# Allegro board SG2042_EVB_V1_1.brd (continued)
## Nets (continued)
GND_EARTH: C567.1 C568.1 C569.2 C570.1 C571.1 C572.1 J9.13 J9.14
VBAT: BT2000.1 U2001.3
VBUS1: C593.1 C597.1 FB8.1 U15.7 U15.8
VBUS2: C1670.1 C1671.1 FB1106.1 U805.7 U805.8
VBUS3: C3168.1 C3169.1 FB2001.1 U2002.7 U2002.8
VCC_SD: C531.2 C532.2 C533.2 C534.2 C535.2 FB2.1 J8.4 R45.1 R48.1 R2127.1
VDD_3V3: C1212.1 C1213.2 C1214.2 C1262.1 C3149.1 C3151.1 C3152.1 C3153.1 C3283.2 C3284.2 C3285.2 C3286.2 C3287.2 C3289.1 FB3.2 FB12.1 J13.1 J14.1 J14.2 J2007.1 J2007.2 J2007.3 J2007.4 J2020.1 L4.2 R337.2 R443.1 R574.2 R621.1 R655.1 R1305.2 R1306.2 R1353.1 R1354.1 R1355.1 R1356.1 R1357.1 R1360.1 R1361.1 R1362.1 R1363.1 R1364.1 R2190.2 R2191.2 R2192.2 R2193.2 R2194.2 R2195.2 R2196.2 R2197.2 R2400.2 R2401.2 R2402.2 R2403.2 R2404.2 R2405.2 R2406.2 R2407.2 R2408.2 R2429.2 R2430.2 R2431.2 R2452.2 T47.1(TP) U12.19(VCCB) U14.19(VCCB) U37.47 U47.10 U56.10 U806.19(VCCB) U807.19(VCCB) U814.19(VCCB) U2003.19(VCCB) U2006.19(VCCB) U2011.19(VCCB)
VDD_12V: C1239.1 C1240.1 C1241.1 C1242.1 C1243.1 C1244.1 C1245.1 C1246.1 C1247.1 C1248.1 C1249.1 C1250.1 C1251.1 C1252.1 C1253.1 C1295.1 C1296.1 C1297.1 C1298.1 C1299.1 C1300.1 C1301.1 C1302.1 C1303.1 C1304.1 C1305.1 C1306.1 C1307.1 C1308.1 C1315.1 C1348.1 C1349.1 C1350.1 C1351.1 C1352.1 C1353.1 C1354.1 C1355.1 C1356.1 C1357.1 C1358.1 C1359.1 C1360.1 C1361.1 C1362.1 C1363.1 C1364.1 C1365.1 C1366.1 C1367.1 C1499.1 C1500.1 C1501.1 C1502.1 C1503.1 C1516.1 C1517.1 C1518.1 C1519.1 C1520.1 R364.1 R622.1 R2393.1 R2447.1 R2449.1 U34.25 U34.26 U34.27 U34.28 U34.29 U34.30 U34.42(VIN#42) U35.25 U35.26 U35.27 U35.28 U35.29 U35.30 U35.42(VIN#42) U36.25 U36.26 U36.27 U36.28 U36.29 U36.30 U36.42(VIN#42) U38.25 U38.26 U38.27 U38.28 U38.29 U38.30 U38.42(VIN#42) U39.25 U39.26 U39.27 U39.28 U39.29 U39.30 U39.42(VIN#42) U40.25 U40.26 U40.27 U40.28 U40.29 U40.30 U40.42(VIN#42) U41.25 U41.26 U41.27 U41.28 U41.29 U41.30 U41.42(VIN#42) U42.25 U42.26 U42.27 U42.28 U42.29 U42.30 U42.42(VIN#42) U43.25 U43.26 U43.27 U43.28 U43.29 U43.30 U43.42(VIN#42) U44.25 U44.26 U44.27 U44.28 U44.29 U44.30 U44.42(VIN#42) U54.25 U54.26 U54.27 U54.28 U54.29 U54.30 U54.42(VIN#42) U55.25 U55.26 U55.27 U55.28 U55.29 U55.30 U55.42(VIN#42) U2005.5
VDD_EMMC_1V8: C1465.2 C1466.2 R35.1 U1.BA25 U1.BB24 U1.BB25 U3.5
VDD_EMMC_3V3: C1468.2 C1469.2 R37.1 U1.BA27 U1.BB26 U1.BB27 U4.5
VDD_MCU: C584.2 C3252.2 C3253.2 C3254.2 C3255.2 C3256.2 C3257.2 C3258.2 C3259.2 C3260.2 C3261.2 FB2014.1 FB2015.1 R483.1 R484.1 R576.2 R2021.1 R2037.1 R2093.1 R2094.1 R2239.1 R2240.1 R2307.1 R2308.1 R2309.1 R2310.1 R2311.1 R2312.1 R2313.1 R2314.1 R2315.1 R2316.1 R2340.2 R2341.2 R2342.2 R2440.2 R2442.2 R2491.1 TP34.1(TP) U11.1(V+) U2009.6 U2009.11 U2009.28 U2009.50 U2009.75 U2009.100
VDD_PCIE0_12V: C3311.1 C3312.1 C3313.1 C3314.1 C3315.2 F409.2 J2018.A2 J2018.A3 J2018.B1 J2018.B2 J2018.B3
VDD_PCIE1_12V: C3304.1 C3305.1 C3306.1 C3307.1 C3308.2 F400.2 J1104.A2 J1104.A3 J1104.B1 J1104.B2 J1104.B3
VDD_PCIE2_12V: C1805.1 C3119.2 C3121.1 C3247.1 C3248.1 F410.2 J2019.A2 J2019.A3 J2019.B1 J2019.B2 J2019.B3
VDD_PCIE_C_0V8: C445.2 C446.2 C447.2 C448.2 C449.2 C450.2 C451.2 C452.2 C453.2 C454.2 C455.2 C456.2 C457.2 C458.2 C459.2 C460.2 C461.2 C462.2 C463.2 C464.2 C465.2 C466.2 C467.2 C468.2 C469.2 C470.2 C471.2 R685.2 R2467.2 U1.BE17 U1.BE19 U1.BE21 U1.BE23 U1.BE25 U1.BE27 U1.BE29 U1.BE31 U1.BE33 U1.BE35 U1.BE37 U1.BE39 U1.BE41 U1.BF16 U1.BF18 U1.BF20 U1.BF22 U1.BF24 U1.BF26 U1.BF28 U1.BF30 U1.BF32 U1.BF34 U1.BF36 U1.BF38 U1.BF40 U1.BF42 U26.5
VDD_PCIE_D_0V8: C475.2 C476.2 C477.2 C478.2 C479.2 C480.2 C481.2 C482.2 C483.2 C484.2 C485.2 C486.2 C487.2 C488.2 C489.2 C490.2 C491.2 C492.2 C493.2 C494.2 C495.2 C496.2 C497.2 C498.2 C499.2 C1562.2 R686.2 R2183.2 R2466.2 U1.BA21 U1.BA23 U1.BA33 U1.BA35 U1.BB22 U1.BB32 U1.BB34 U1.BB36 U1.BC21 U1.BC23 U1.BC25 U1.BC27 U1.BC29 U1.BC31 U1.BC33 U1.BC35 U1.BC37 U1.BD16 U1.BD18 U1.BD20 U1.BD22 U1.BD24 U1.BD26 U1.BD28 U1.BD30 U1.BD32 U1.BD34 U1.BD36 U1.BD38 U1.BD40 U1.BD42 U24.5
VDD_PCIE_D_0V8_H: C1563.1 C1564.1 C1565.1 C1566.1 C1567.1 C3318.1 L22.2 R683.1 R684.1 R685.1 R686.1 R2466.1 R2467.1 U24.4 U26.4
VDD_PCIE_H_1V8: C505.2 C506.2 C507.2 C508.2 C509.2 C510.2 C511.2 C512.2 C513.2 C514.2 C515.2 C516.2 C517.2 C518.2 C519.2 R342.2 R349.2 T57.1(TP) U1.BG15 U1.BG17 U1.BG19 U1.BG21 U1.BG23 U1.BG25 U1.BG27 U1.BG29 U1.BG31 U1.BG33 U1.BG35 U1.BG37 U1.BG39 U1.BG41 U1.BG43 U27.5
VDD_PCIE_H_1V8_H: C1220.1 C1221.2 C1222.2 L5.2 R342.1 R344.2 U27.4
VDD_PLL_0V8: FB7.1 FB9.1 FB10.1 FB11.1 R308.2 R683.2 T53.1(TP) U20.5
VDD_PLL_0V8_H: C1170.1 C1172.2 C1173.2 L1.2 R308.1 R311.2 R2495.1 U20.4
VDD_RGMII_1V8: C1471.2 C1472.2 C1473.2 C1474.2 C1475.2 C1476.2 R56.1 U1.BF11 U1.BF13 U1.BG11 U1.BG13 U6.5
VDD_SENSE_N: R468.2 U1.AJ28
VDD_SENSE_P: R469.2 U1.AH28
VDD_VDRV: C1256.1 C1257.1 C1258.1 C1259.1 C1260.1 C1261.1 C1310.1 C1313.1 C1314.1 C1317.1 C1318.1 C1319.1 C1368.1 C1370.1 C1377.1 C1378.1 C1379.1 C1383.1 C1384.1 C1385.1 C1504.1 C1505.1 C1521.1 C1522.1 R365.1 R366.1 R368.1 R377.1 R378.1 R381.1 R397.1 R399.1 R401.1 R403.1 R404.1 R405.1 R415.1 R418.1 R420.1 R422.1 R424.1 R425.1 R426.1 R427.1 R642.1 R645.1 R649.1 R651.1 R2451.1 R2452.1 U34.4 U35.4 U36.4 U38.4 U39.4 U40.4 U41.4 U42.4 U43.4 U44.4 U54.4 U55.4
VDDA_MCU: C3262.2 FB2014.2 U2009.21 U2009.22
VDDC: C606.2 C607.2 C608.2 C609.2 C610.2 C611.2 C612.2 C613.2 C614.2 C615.2 C616.2 C617.2 C618.2 C619.2 C620.2 C621.2 C622.2 C623.2 C624.2 C625.2 C626.2 C627.2 C628.2 C629.2 C630.2 C631.2 C632.2 C633.2 C634.2 C635.2 C636.2 C637.2 C638.2 C639.2 C640.2 C641.2 C642.2 C643.2 C644.2 C645.2 C646.2 C647.2 C648.2 C649.2 C650.2 C651.2 C652.2 C653.2 C654.2 C655.2 C656.2 C657.2 C658.2 C659.2 C660.2 C661.2 C662.2 C663.2 C664.2 C665.2 C666.2 C667.2 C668.2 C669.2 C670.2 C671.2 C672.2 C673.2 C674.2 C675.2 C676.2 C677.2 C678.2 C679.2 C680.2 C681.2 C682.2 C683.2 C684.2 C685.2 C686.2 C687.2 C688.2 C689.2 C690.2 C691.2 C692.2 C693.2 C694.2 C695.2 C696.2 C697.2 C698.2 C699.2 C700.2 C701.2 C702.2 C703.2 C704.2 C705.2 C706.2 C707.2 C708.2 C709.2 C710.2 C711.2 C712.2 C713.2 C714.2 C715.2 C716.2 C717.2 C718.2 C719.2 C720.2 C721.2 C722.2 C723.2 C724.2 C725.2 C726.2 C727.2 C728.2 C729.2 C730.2 C731.2 C756.2 C757.2 C758.2 C759.2 C760.2 C761.2 C762.2 C763.2 C764.2 C765.2 C766.2 C767.2 C768.2 C769.2 C770.2 C771.2 C772.2 C773.2 C774.2 C775.2 C776.2 C777.2 C778.2 C779.2 C780.2 C781.2 C782.2 C783.2 C784.2 C785.2 C786.2 C787.2 C788.2 C789.2 C790.2 C791.2 C792.2 C793.2 C794.2 C795.2 C796.2 C797.2 C798.2 C799.2 C800.2 C801.2 C802.2 C803.2 C804.2 C805.2 C806.2 C807.2 C808.2 C809.2 C810.2 C811.2 C812.2 C813.2 C814.2 C815.2 C816.2 C817.2 C818.2 C819.2 C820.2 C821.2 C822.2 C823.2 C824.2 C825.2 C826.2 C827.2 C828.2 C829.2 C830.2 C831.2 C832.2 C833.2 C834.2 C835.2 C836.2 C837.2 C838.2 C839.2 C840.2 C841.2 C842.2 C843.2 C844.2 C845.2 C846.2 C847.2 C848.2 C849.2 C850.2 C851.2 C852.2 C853.2 C854.2 C855.2 C856.2 C857.2 C858.2 C859.2 C860.2 C861.2 C862.2 C863.2 C864.2 C865.2 C866.2 C867.2 C868.2 C869.2 C870.2 C871.2 C872.2 C873.2 C874.2 C875.2 C876.2 C877.2 C878.2 C879.2 C880.2 C881.2 C976.2 C977.2 C978.2 C979.2 C980.2 C981.2 C982.2 C983.2 C984.2 C985.2 C986.2 C987.2 C988.2 C989.2 C990.2 C991.2 C992.2 C993.2 C994.2 C995.2 C996.2 C997.2 C998.2 C999.2 C1000.2 C1001.2 C1002.2 C1003.2 C1004.2 C1005.2 C1006.2 C1007.2 C1008.2 C1009.2 C1010.2 C1011.2 C1580.2 C1581.2 C1582.2 C1583.2 C1584.2 C1585.2 C1586.2 C1587.2 C1588.2 C1589.2 C1590.2 C1591.2 C1592.2 C1593.2 C1597.2 C1598.2 C1599.2 C1600.2 C1601.2 C1602.2 C1603.2 C1604.2 C1605.2 C1606.2 C1610.2 C1611.2 C1612.2 C1613.2 C1614.2 C1615.2 C1616.2 C1617.2 C1618.2 C1619.2 C1620.2 C1621.2 C1622.2 C1623.2 C1624.2 C1625.2 C1626.2 C1630.2 C1631.2 C1632.2 C1633.2 C1634.2 C1638.2 C1639.2 C1640.2 C1641.2 C1642.2 C1699.2 C1700.2 C1701.2 C1702.2 C1703.2 C1704.2 C1705.2 C1706.2 C1707.2 C1708.2 C1709.2 C1710.2 C1711.2 C1712.2 C1713.2 C1714.2 C1715.2 C1716.2 C1717.2 C1718.2 C1719.2 C1720.2 C1721.2 C1722.2 C1723.2 C1724.2 C1725.2 C1726.2 C1727.2 C1728.2 C1729.2 C1730.2 C1731.2 C1732.2 C1733.2 C1734.2 C1735.2 C1736.2 R376.2 R2174.1 R2418.1 R2419.1 R2420.1 R2421.1 R2422.1 R2423.1 R2424.1 TP7.1(TP) U1.AA19 U1.AA21 U1.AA23 U1.AA25 U1.AA27 U1.AA29 U1.AA31 U1.AA33 U1.AA35 U1.AA37 U1.AA39 U1.AA41 U1.AB18 U1.AB20 U1.AB22 U1.AB24 U1.AB26 U1.AB28 U1.AB30 U1.AB32 U1.AB34 U1.AB36 U1.AB38 U1.AC19 U1.AC21 U1.AC23 U1.AC25 U1.AC27 U1.AC29 U1.AC31 U1.AC33 U1.AC35 U1.AC37 U1.AC39 U1.AD16 U1.AD18 U1.AD20 U1.AD22 U1.AD24 U1.AD26 U1.AD28 U1.AD30 U1.AD32 U1.AD34 U1.AD36 U1.AD38 U1.AE19 U1.AE21 U1.AE23 U1.AE25 U1.AE27 U1.AE29 U1.AE31 U1.AE33 U1.AE35 U1.AE37 U1.AE39 U1.AE41 U1.AF16 U1.AF18 U1.AF20 U1.AF22 U1.AF24 U1.AF26 U1.AF28 U1.AF30 U1.AF32 U1.AF34 U1.AF36 U1.AF38 U1.AG19 U1.AG21 U1.AG23 U1.AG25 U1.AG27 U1.AG29 U1.AG31 U1.AG33 U1.AG35 U1.AG37 U1.AG39 U1.AH18 U1.AH20 U1.AH22 U1.AH24 U1.AH26 U1.AH30 U1.AH32 U1.AH34 U1.AH36 U1.AH38 U1.AJ19 U1.AJ21 U1.AJ23 U1.AJ25 U1.AJ27 U1.AJ29 U1.AJ31 U1.AJ33 U1.AJ35 U1.AJ37 U1.AJ39 U1.AK18 U1.AK20 U1.AK22 U1.AK24 U1.AK26 U1.AK28 U1.AK30 U1.AK32 U1.AK34 U1.AK36 U1.AK38 U1.AL19 U1.AL21 U1.AL23 U1.AL25 U1.AL27 U1.AL29 U1.AL31 U1.AL33 U1.AL35 U1.AL37 U1.AL39 U1.AM16 U1.AM18 U1.AM20 U1.AM22 U1.AM24 U1.AM26 U1.AM28 U1.AM30 U1.AM32 U1.AM34 U1.AM36 U1.AM38 U1.AN19 U1.AN21 U1.AN23 U1.AN25 U1.AN27 U1.AN29 U1.AN31 U1.AN33 U1.AN35 U1.AN37 U1.AN39 U1.AN41 U1.AP16 U1.AP18 U1.AP20 U1.AP22 U1.AP24 U1.AP26 U1.AP28 U1.AP30 U1.AP32 U1.AP34 U1.AP36 U1.AP38 U1.AR19 U1.AR21 U1.AR23 U1.AR25 U1.AR27 U1.AR29 U1.AR31 U1.AR33 U1.AR35 U1.AR37 U1.AR39 U1.AR41 U1.AT16 U1.AT18 U1.AT20 U1.AT22 U1.AT24 U1.AT26 U1.AT28 U1.AT30 U1.AT32 U1.AT34 U1.AT36 U1.AT38 U1.AU19 U1.AU21 U1.AU23 U1.AU25 U1.AU27 U1.AU29 U1.AU31 U1.AU33 U1.AU35 U1.AU37 U1.AU39 U1.AU41 U1.AV16 U1.AV18 U1.AV20 U1.AV22 U1.AV24 U1.AV26 U1.AV28 U1.AV30 U1.AV32 U1.AV34 U1.AV36 U1.AV38 U1.AW19 U1.AW21 U1.AW23 U1.AW25 U1.AW27 U1.AW29 U1.AW31 U1.AW33 U1.AW35 U1.AW37 U1.AW39 U1.AW41 U1.AY16 U1.BA17 U1.BA19 U1.BA37 U1.BA39 U1.BA41 U1.BB16 U1.BB18 U1.BB20 U1.BB38 U1.BB40 U1.BC17 U1.BC19 U1.BC39 U1.BC41 U1.K16 U1.K18 U1.K20 U1.K22 U1.K24 U1.K26 U1.K28 U1.K30 U1.K32 U1.K34 U1.K36 U1.K38 U1.K40 U1.L17 U1.L19 U1.L21 U1.L23 U1.L25 U1.L27 U1.L29 U1.L31 U1.L33 U1.L35 U1.L37 U1.L39 U1.L41 U1.M16 U1.M18 U1.M20 U1.M22 U1.M24 U1.M26 U1.M28 U1.M30 U1.M32 U1.M34 U1.M36 U1.M38 U1.M40 U1.N17 U1.N19 U1.N21 U1.N23 U1.N25 U1.N27 U1.N29 U1.N31 U1.N33 U1.N35 U1.N37 U1.N39 U1.N41 U1.P16 U1.P18 U1.P20 U1.P22 U1.P24 U1.P26 U1.P28 U1.P30 U1.P32 U1.P34 U1.P36 U1.P38 U1.P40 U1.R17 U1.R19 U1.R21 U1.R23 U1.R25 U1.R27 U1.R29 U1.R31 U1.R33 U1.R35 U1.R37 U1.R39 U1.R41 U1.T16 U1.T18 U1.T20 U1.T22 U1.T24 U1.T26 U1.T28 U1.T30 U1.T32 U1.T34 U1.T36 U1.T38 U1.T40 U1.U41 U1.V16 U1.V18 U1.V20 U1.V22 U1.V24 U1.V26 U1.V28 U1.V30 U1.V32 U1.V34 U1.V36 U1.V38 U1.W19 U1.W21 U1.W23 U1.W25 U1.W27 U1.W29 U1.W31 U1.W33 U1.W35 U1.W37 U1.W39 U1.W41 U1.Y16 U1.Y18 U1.Y20 U1.Y22 U1.Y24 U1.Y26 U1.Y28 U1.Y30 U1.Y32 U1.Y34 U1.Y36 U1.Y38 U815.5
VDDC_H: C1264.1 C1265.1 C1266.1 C1267.1 C1268.1 C1270.1 C1271.1 C1272.1 C1273.1 C1274.1 C1276.1 C1277.1 C1278.1 C1279.1 C1281.1 C1312.1 C1320.1 C1321.1 C1322.1 C1323.1 C1324.1 C1326.1 C1327.1 C1329.1 C1330.1 C1331.1 C1332.1 C1333.1 C1335.1 C1336.1 C1369.1 C1372.1 C1373.1 C1374.1 C1375.1 C1376.1 C1380.1 C1381.1 C1382.1 C1387.1 C1388.1 C1389.1 C1391.1 C1392.1 C1393.1 C1578.1 C1579.1 L8.2 L9.2 L10.2 L11.2 L12.2 L13.2 L14.2 L16.2 L17.2 R373.1 R382.1 R383.1 R384.1 R406.1 R407.1 R408.1 R428.1 R430.1 R431.1 R2174.2 R2418.2 R2419.2 R2420.2 R2421.2 R2422.2 R2423.2 R2424.2 U815.4
VDDIO18: C537.2 C538.2 C539.2 C540.2 C575.2 C576.2 C578.2 C579.2 C580.2 C582.2 C583.2 C587.2 C1477.2 C1478.2 C1479.2 C1480.2 C1481.2 C1482.2 C1483.2 C1484.2 C1485.2 C1486.2 C1487.2 C1488.2 C3144.2 C3145.2 C3146.2 C3277.2 C3278.2 C3279.2 C3280.2 C3281.2 C3282.2 C3290.1 C3316.2 C3321.2 C3322.2 FB5.1 FB6.1 FB2018.1 J13.2 J2020.2 R19.2 R20.2 R21.2 R22.2 R23.2 R24.2 R31.1 R32.1 R33.1 R34.1 R35.2 R38.2 R40.1 R56.2 R96.2 R97.2 R98.2 R99.2 R100.2 R101.2 R103.2 R104.2 R105.1 R106.2 R107.2 R108.2 R109.2 R110.2 R111.2 R112.2 R113.2 R114.2 R115.2 R116.2 R117.2 R139.2 R140.2 R143.2 R146.2 R147.2 R149.2 R150.2 R152.2 R153.2 R155.2 R156.2 R157.2 R158.2 R161.2 R175.2 R181.2 R182.2 R183.2 R187.1 R196.2 R197.2 R198.2 R199.2 R200.2 R201.2 R202.2 R208.2 R226.2 R227.2 R228.2 R229.2 R235.1 R355.2 R470.2 R1255.2 R1256.2 R1258.2 R1259.2 R1260.2 R1262.2 R1263.2 R1264.2 R1266.2 R2066.2 R2067.2 R2301.2 R2302.2 R2369.2 R2370.2 R2434.1 R2435.1 T58.1(TP) U1.AP15 U1.AP42 U1.AT15 U1.AT42 U1.AV15 U1.AV42 U1.AY15 U1.AY42 U1.BB15 U1.BB28 U1.BB42 U1.BD15 U2.C6 U2.M4 U2.N4 U2.P3 U2.P5 U3.4 U6.4 U10.8 U12.2 U12.10 U13.A2 U14.2 U14.10 U30.5 U806.2 U806.10 U807.2 U807.10 U811.8 U812.8 U813.8 U814.2 U814.10 U2003.2 U2003.10 U2006.2 U2006.10 U2010.2 U2010.10 U2011.2 U2011.10 U2012.1(V+) U2013.8 U2014.8 X1.4(VDD) X2.4(VDD) X3.4(VDD) X4.4(VDD)
VDDIO18_H: C1234.1 C1235.2 C1236.2 L7.2 R349.1 R355.1 R357.2 U30.4
VDDIO33: C536.2 C3163.1 C3164.2 C3165.2 C3273.2 C3274.2 FB1.1 J2016.25 J2016.32 L26.2 R37.2 R45.2 R588.2 R1351.2 R2346.1 R2348.1 R2350.1 R2371.1 R2373.1 R2375.1 R2377.1 R2379.1 R2381.1 T59.1(TP) U4.4 U5.A2
VDDIO_CLK_DDR0: C594.2 FB5.2 U1.AG41
VDDIO_CLK_DDR1: C590.2 FB6.2 U1.AG16
VDDIO_DPLL0: C592.2 FB7.2 U1.AJ41
VDDIO_DPLL1: C600.2 FB9.2 U1.AJ16
VDDIO_FPLL: C604.2 FB11.2 U1.BA31
VDDIO_MPLL: C602.2 FB10.2 U1.BA30
2973_V18: C1255.1 R385.1 R386.1 R387.1 R396.2 R409.1 R410.1 R411.1 R432.1 R433.1 R434.1 R435.1 U37.48
2973_V18_DDR: C1493.1 R641.2 R647.1 R653.1 U53.48
ADDR: R396.1 R480.1 U37.42
BISR_BYP: R131.2 SW3.6 U1.D41
BOOT_SEL0: R119.2 SW2.1 U1.J17
BOOT_SEL1: R120.2 SW2.2 U1.C16
BOOT_SEL2: R121.2 SW2.3 U1.H16
BOOT_SEL3: R122.2 SW2.4 U1.B16
BOOT_SEL4: R123.2 SW2.5 U1.J16
BOOT_SEL5: R125.2 SW2.6 U1.D16
BOOT_SEL6: R126.2 R2492.1 SW3.1 U1.G18
BOOT_SEL7: R127.2 SW3.2 U1.F17
CAT_FLT_DDR: TP16.1(TP) U53.41
CAT_FLT_VDDC: TP6.1(TP) U37.41
CLKIN_SEL0: R2111.2 R2112.1 U17.15
CLKIN_SEL1: R2113.2 R2114.1 U17.18
CORPOWER_OK: R594.2 R2067.1 R2075.2
CS1: U34.38 U37.27
CS1_DDR: U53.27 U54.38
CS2: U35.38 U37.28
CS2_DDR: U53.38 U55.38
CS3: U36.38 U37.29
CS4: U37.30 U39.38
CS5: U37.31 U40.38
CS6: U37.32 U38.38
CS7: U37.33 U42.38
CS8: U37.34 U41.38
CS9: U37.35 U44.38
CS10: U37.38 U43.38
DDR0_ACT_N: J1.62 U1.BB55
DDR0_ALERT_N: J1.208 R2241.1 U1.AV51
DDR0_ATB0: T11.1(TP) U1.BD48
DDR0_ATB1: T12.1(TP) U1.BC48
DDR0_BA0: J1.81 U1.BE55
DDR0_BA1: J1.224 U1.BD54
DDR0_BG0: J1.63 U1.BC55
DDR0_BG1: J1.207 U1.AV52
DDR0_CAL_0: R701.1 T10.1(TP) U1.BA49
DDR0_CID0: J1.93 U1.BG52
DDR0_CID1: J1.237 U1.BF51
DDR0_CKE0: J1.60 U1.AU50
DDR0_CKE1: J1.203 U1.AU51
DDR0_CLK0_N: J1.75 U1.BB52
DDR0_CLK0_P: J1.74 U1.BB53
DDR0_CLK1_N: J1.219 U1.BC53
DDR0_CLK1_P: J1.218 U1.BC54
DDR0_CS_N0: J1.84 U1.BF56
DDR0_CS_N1: J1.89 U1.BG55
DDR0_DM0_N: J1.8 U1.AJ55
DDR0_DM0_P: J1.7 U1.AJ56
DDR0_DM1_N: J1.19 U1.AP56
DDR0_DM1_P: J1.18 U1.AP55
DDR0_DM2_N: J1.30 U1.AK49
DDR0_DM2_P: J1.29 U1.AK50
DDR0_DM3_N: J1.41 U1.AP52
DDR0_DM3_P: J1.40 U1.AP51
DDR0_DM4_N: J1.100 U1.BJ54
DDR0_DM4_P: J1.99 U1.BJ53
DDR0_DM5_N: J1.111 U1.BT54
DDR0_DM5_P: J1.110 U1.BR54
DDR0_DM6_N: J1.122 U1.BJ49
DDR0_DM6_P: J1.121 U1.BJ50
DDR0_DM7_N: J1.133 U1.BT49
DDR0_DM7_P: J1.132 U1.BR49
DDR0_DQ0: J1.5 U1.AH55
DDR0_DQ1: J1.150 U1.AH53
DDR0_DQ2: J1.12 U1.AL55
DDR0_DQ3: J1.157 U1.AL56
DDR0_DQ4: J1.3 U1.AG55
DDR0_DQ5: J1.148 U1.AG54
DDR0_DQ6: J1.10 U1.AK56
DDR0_DQ7: J1.155 U1.AL53
DDR0_DQ8: J1.16 U1.AN53
DDR0_DQ9: J1.161 U1.AN55
DDR0_DQ10: J1.23 U1.AT55
DDR0_DQ11: J1.168 U1.AT56
DDR0_DQ12: J1.14 U1.AM54
DDR0_DQ13: J1.159 U1.AM55
DDR0_DQ14: J1.21 U1.AR56
DDR0_DQ15: J1.166 U1.AT53
DDR0_DQ16: J1.27 U1.AG52
DDR0_DQ17: J1.172 U1.AH51
DDR0_DQ18: J1.34 U1.AL51
DDR0_DQ19: J1.179 U1.AL52
DDR0_DQ20: J1.25 U1.AH49
DDR0_DQ21: J1.170 U1.AG50
DDR0_DQ22: J1.32 U1.AL49
DDR0_DQ23: J1.177 U1.AK52
DDR0_DQ24: J1.38 U1.AN49
DDR0_DQ25: J1.183 U1.AN51
DDR0_DQ26: J1.45 U1.AT51
DDR0_DQ27: J1.190 U1.AT49
DDR0_DQ28: J1.36 U1.AM50
DDR0_DQ29: J1.181 U1.AM52
DDR0_DQ30: J1.43 U1.AR52
DDR0_DQ31: J1.188 U1.AT52
DDR0_DQ32: J1.97 U1.BJ56
DDR0_DQ33: J1.242 U1.BH53
DDR0_DQ34: J1.104 U1.BM55
DDR0_DQ35: J1.249 U1.BM54
DDR0_DQ36: J1.95 U1.BH55
DDR0_DQ37: J1.240 U1.BH56
DDR0_DQ38: J1.102 U1.BL55
DDR0_DQ39: J1.247 U1.BL53
DDR0_DQ40: J1.108 U1.BR56
DDR0_DQ41: J1.253 U1.BR55
DDR0_DQ42: J1.115 U1.BT52
DDR0_DQ43: J1.260 U1.BN52
DDR0_DQ44: J1.106 U1.BN55
DDR0_DQ45: J1.251 U1.BP56
DDR0_DQ46: J1.113 U1.BT53
DDR0_DQ47: J1.258 U1.BR52
DDR0_DQ48: J1.119 U1.BJ52
DDR0_DQ49: J1.264 U1.BH52
DDR0_DQ50: J1.126 U1.BM52
DDR0_DQ51: J1.271 U1.BM50
DDR0_DQ52: J1.117 U1.BH49
DDR0_DQ53: J1.262 U1.BH51
DDR0_DQ54: J1.124 U1.BL51
DDR0_DQ55: J1.269 U1.BL49
DDR0_DQ56: J1.130 U1.BN50
DDR0_DQ57: J1.275 U1.BR50
DDR0_DQ58: J1.137 U1.BT47
DDR0_DQ59: J1.282 U1.BN47
DDR0_DQ60: J1.128 U1.BP51
DDR0_DQ61: J1.273 U1.BR51
DDR0_DQ62: J1.135 U1.BT48
DDR0_DQ63: J1.280 U1.BR47
DDR0_DQS0_N: J1.152 U1.AK53
DDR0_DQS0_P: J1.153 U1.AK54
DDR0_DQS1_N: J1.163 U1.AR54
DDR0_DQS1_P: J1.164 U1.AR53
DDR0_DQS2_N: J1.174 U1.AJ51
DDR0_DQS2_P: J1.175 U1.AJ52
DDR0_DQS3_N: J1.185 U1.AR50
DDR0_DQS3_P: J1.186 U1.AR49
DDR0_DQS4_N: J1.244 U1.BK56
DDR0_DQS4_P: J1.245 U1.BK55
DDR0_DQS5_N: J1.255 U1.BP53
DDR0_DQS5_P: J1.256 U1.BN53
DDR0_DQS6_N: J1.266 U1.BK52
DDR0_DQS6_P: J1.267 U1.BK51
DDR0_DQS7_N: J1.277 U1.BN48
DDR0_DQS7_P: J1.278 U1.BP48
DDR0_ECC_DM_N: J1.52 U1.AY53
DDR0_ECC_DM_P: J1.51 U1.AY54
DDR0_ECC_DQ0: J1.49 U1.AV55
DDR0_ECC_DQ1: J1.194 U1.AV53
DDR0_ECC_DQ2: J1.56 U1.BA55
DDR0_ECC_DQ3: J1.201 U1.BA56
DDR0_ECC_DQ4: J1.47 U1.AU55
DDR0_ECC_DQ5: J1.192 U1.AU54
DDR0_ECC_DQ6: J1.54 U1.AY56
DDR0_ECC_DQ7: J1.199 U1.BA53
DDR0_ECC_DQS_N: J1.196 U1.AW56
DDR0_ECC_DQS_P: J1.197 U1.AW55
DDR0_EVENT_N: J1.78 R1.1 R2386.2
DDR0_EVENT_N_L: R597.2 U2010.1
DDR0_MA0: J1.79 U1.BD52
DDR0_MA1: J1.72 U1.BC51
DDR0_MA2: J1.216 U1.BE52
DDR0_MA3: J1.71 U1.BD51
DDR0_MA4: J1.214 U1.BA51
DDR0_MA5: J1.213 U1.AY50
DDR0_MA6: J1.69 U1.BC56
DDR0_MA7: J1.211 U1.AY51
DDR0_MA8: J1.68 U1.BC50
DDR0_MA9: J1.66 U1.AW50
DDR0_MA10: J1.225 U1.BE50
DDR0_MA11: J1.210 U1.AW52
DDR0_MA12: J1.65 U1.BB50
DDR0_MA13: J1.232 U1.BG51
DDR0_MA14: J1.228 U1.BE56
DDR0_MA15: J1.86 U1.BF54
DDR0_MA16: J1.82 U1.BE53
DDR0_MA17: J1.234 U1.BF50
DDR0_ODT0: J1.87 U1.BG54
DDR0_ODT1: J1.91 U1.BF53
DDR0_PAR: J1.222 U1.BD55
DDR0_PLL_TESTOUT_N: T14.1(TP) U1.BA48
DDR0_PLL_TESTOUT_P: T13.1(TP) U1.AY48
DDR0_RESET_N: J1.58 T9.1(TP) U1.BA52
DDR0_VDDPLL: C1450.1 FB14.1 U1.AL41
DDR0_VDDQCK: C1448.1 FB13.1 U1.AK41
DDR1_ACT_N: J2.62 U1.H55
DDR1_ALERT_N: J2.208 R2242.1 U1.J55
DDR1_ATB0: T17.1(TP) U1.R48
DDR1_ATB1: T18.1(TP) U1.P48
DDR1_BA0: J2.81 U1.L53
DDR1_BA1: J2.224 U1.L52
DDR1_BG0: J2.63 U1.J54
DDR1_BG1: J2.207 U1.H56
DDR1_CAL_0: R2383.1 T16.1(TP) U1.U48
DDR1_CID0: J2.93 U1.P50
DDR1_CID1: J2.237 U1.R51
DDR1_CKE0: J2.60 U1.G56
DDR1_CKE1: J2.203 U1.F54
DDR1_CLK0_N: J2.75 U1.J52
DDR1_CLK0_P: J2.74 U1.J51
DDR1_CLK1_N: J2.219 U1.K51
DDR1_CLK1_P: J2.218 U1.K50
DDR1_CS_N0: J2.84 U1.N53
DDR1_CS_N1: J2.89 U1.P53
DDR1_DM0_N: J2.8 U1.B45
DDR1_DM0_P: J2.7 U1.A45
DDR1_DM1_N: J2.19 U1.A50
DDR1_DM1_P: J2.18 U1.B50
DDR1_DM2_N: J2.30 U1.G44
DDR1_DM2_P: J2.29 U1.H44
DDR1_DM3_N: J2.41 U1.H49
DDR1_DM3_P: J2.40 U1.G49
DDR1_DM4_N: J2.100 U1.U54
DDR1_DM4_P: J2.99 U1.U53
DDR1_DM5_N: J2.111 U1.AB53
DDR1_DM5_P: J2.110 U1.AB54
DDR1_DM6_N: J2.122 U1.V51
DDR1_DM6_P: J2.121 U1.V52
DDR1_DM7_N: J2.133 U1.AC52
DDR1_DM7_P: J2.132 U1.AC51
DDR1_DQ0: J2.5 U1.B44
DDR1_DQ1: J2.150 U1.D44
DDR1_DQ2: J2.12 U1.A47
DDR1_DQ3: J2.157 U1.D47
DDR1_DQ4: J2.3 U1.C43
DDR1_DQ5: J2.148 U1.B43
DDR1_DQ6: J2.10 U1.A46
DDR1_DQ7: J2.155 U1.B47
DDR1_DQ8: J2.16 U1.D49
DDR1_DQ9: J2.161 U1.B49
DDR1_DQ10: J2.23 U1.D52
DDR1_DQ11: J2.168 U1.A52
DDR1_DQ12: J2.14 U1.B48
DDR1_DQ13: J2.159 U1.C48
DDR1_DQ14: J2.21 U1.A51
DDR1_DQ15: J2.166 U1.B52
DDR1_DQ16: J2.27 U1.E44
DDR1_DQ17: J2.172 U1.H43
DDR1_DQ18: J2.34 U1.E47
DDR1_DQ19: J2.179 U1.G47
DDR1_DQ20: J2.25 U1.F43
DDR1_DQ21: J2.170 U1.E43
DDR1_DQ22: J2.32 U1.F46
DDR1_DQ23: J2.177 U1.H46
DDR1_DQ24: J2.38 U1.H48
DDR1_DQ25: J2.183 U1.E49
DDR1_DQ26: J2.45 U1.E52
DDR1_DQ27: J2.190 U1.G52
DDR1_DQ28: J2.36 U1.F48
DDR1_DQ29: J2.181 U1.E48
DDR1_DQ30: J2.43 U1.F51
DDR1_DQ31: J2.188 U1.H51
DDR1_DQ32: J2.97 U1.U56
DDR1_DQ33: J2.242 U1.T55
DDR1_DQ34: J2.104 U1.Y54
DDR1_DQ35: J2.249 U1.Y55
DDR1_DQ36: J2.95 U1.T53
DDR1_DQ37: J2.240 U1.T56
DDR1_DQ38: J2.102 U1.W55
DDR1_DQ39: J2.247 U1.W53
DDR1_DQ40: J2.108 U1.AB56
DDR1_DQ41: J2.253 U1.AA55
DDR1_DQ42: J2.115 U1.AE54
DDR1_DQ43: J2.260 U1.AE55
DDR1_DQ44: J2.106 U1.AA53
DDR1_DQ45: J2.251 U1.AA56
DDR1_DQ46: J2.113 U1.AD55
DDR1_DQ47: J2.258 U1.AD53
DDR1_DQ48: J2.119 U1.U52
DDR1_DQ49: J2.264 U1.T49
DDR1_DQ50: J2.126 U1.Y52
DDR1_DQ51: J2.271 U1.Y50
DDR1_DQ52: J2.117 U1.T51
DDR1_DQ53: J2.262 U1.T52
DDR1_DQ54: J2.124 U1.W51
DDR1_DQ55: J2.269 U1.W49
DDR1_DQ56: J2.130 U1.AB52
DDR1_DQ57: J2.275 U1.AA49
DDR1_DQ58: J2.137 U1.AE52
DDR1_DQ59: J2.282 U1.AE50
DDR1_DQ60: J2.128 U1.AA51
DDR1_DQ61: J2.273 U1.AA52
DDR1_DQ62: J2.135 U1.AD51
DDR1_DQ63: J2.280 U1.AD49
DDR1_DQS0_N: J2.152 U1.D46
DDR1_DQS0_P: J2.153 U1.C46
DDR1_DQS1_N: J2.163 U1.C51
DDR1_DQS1_P: J2.164 U1.D51
DDR1_DQS2_N: J2.174 U1.E45
DDR1_DQS2_P: J2.175 U1.F45
DDR1_DQS3_N: J2.185 U1.F50
